# Allegro board TDI_KU5P_QSFP28_CXP_V001-20240805_1841.brd (continued)
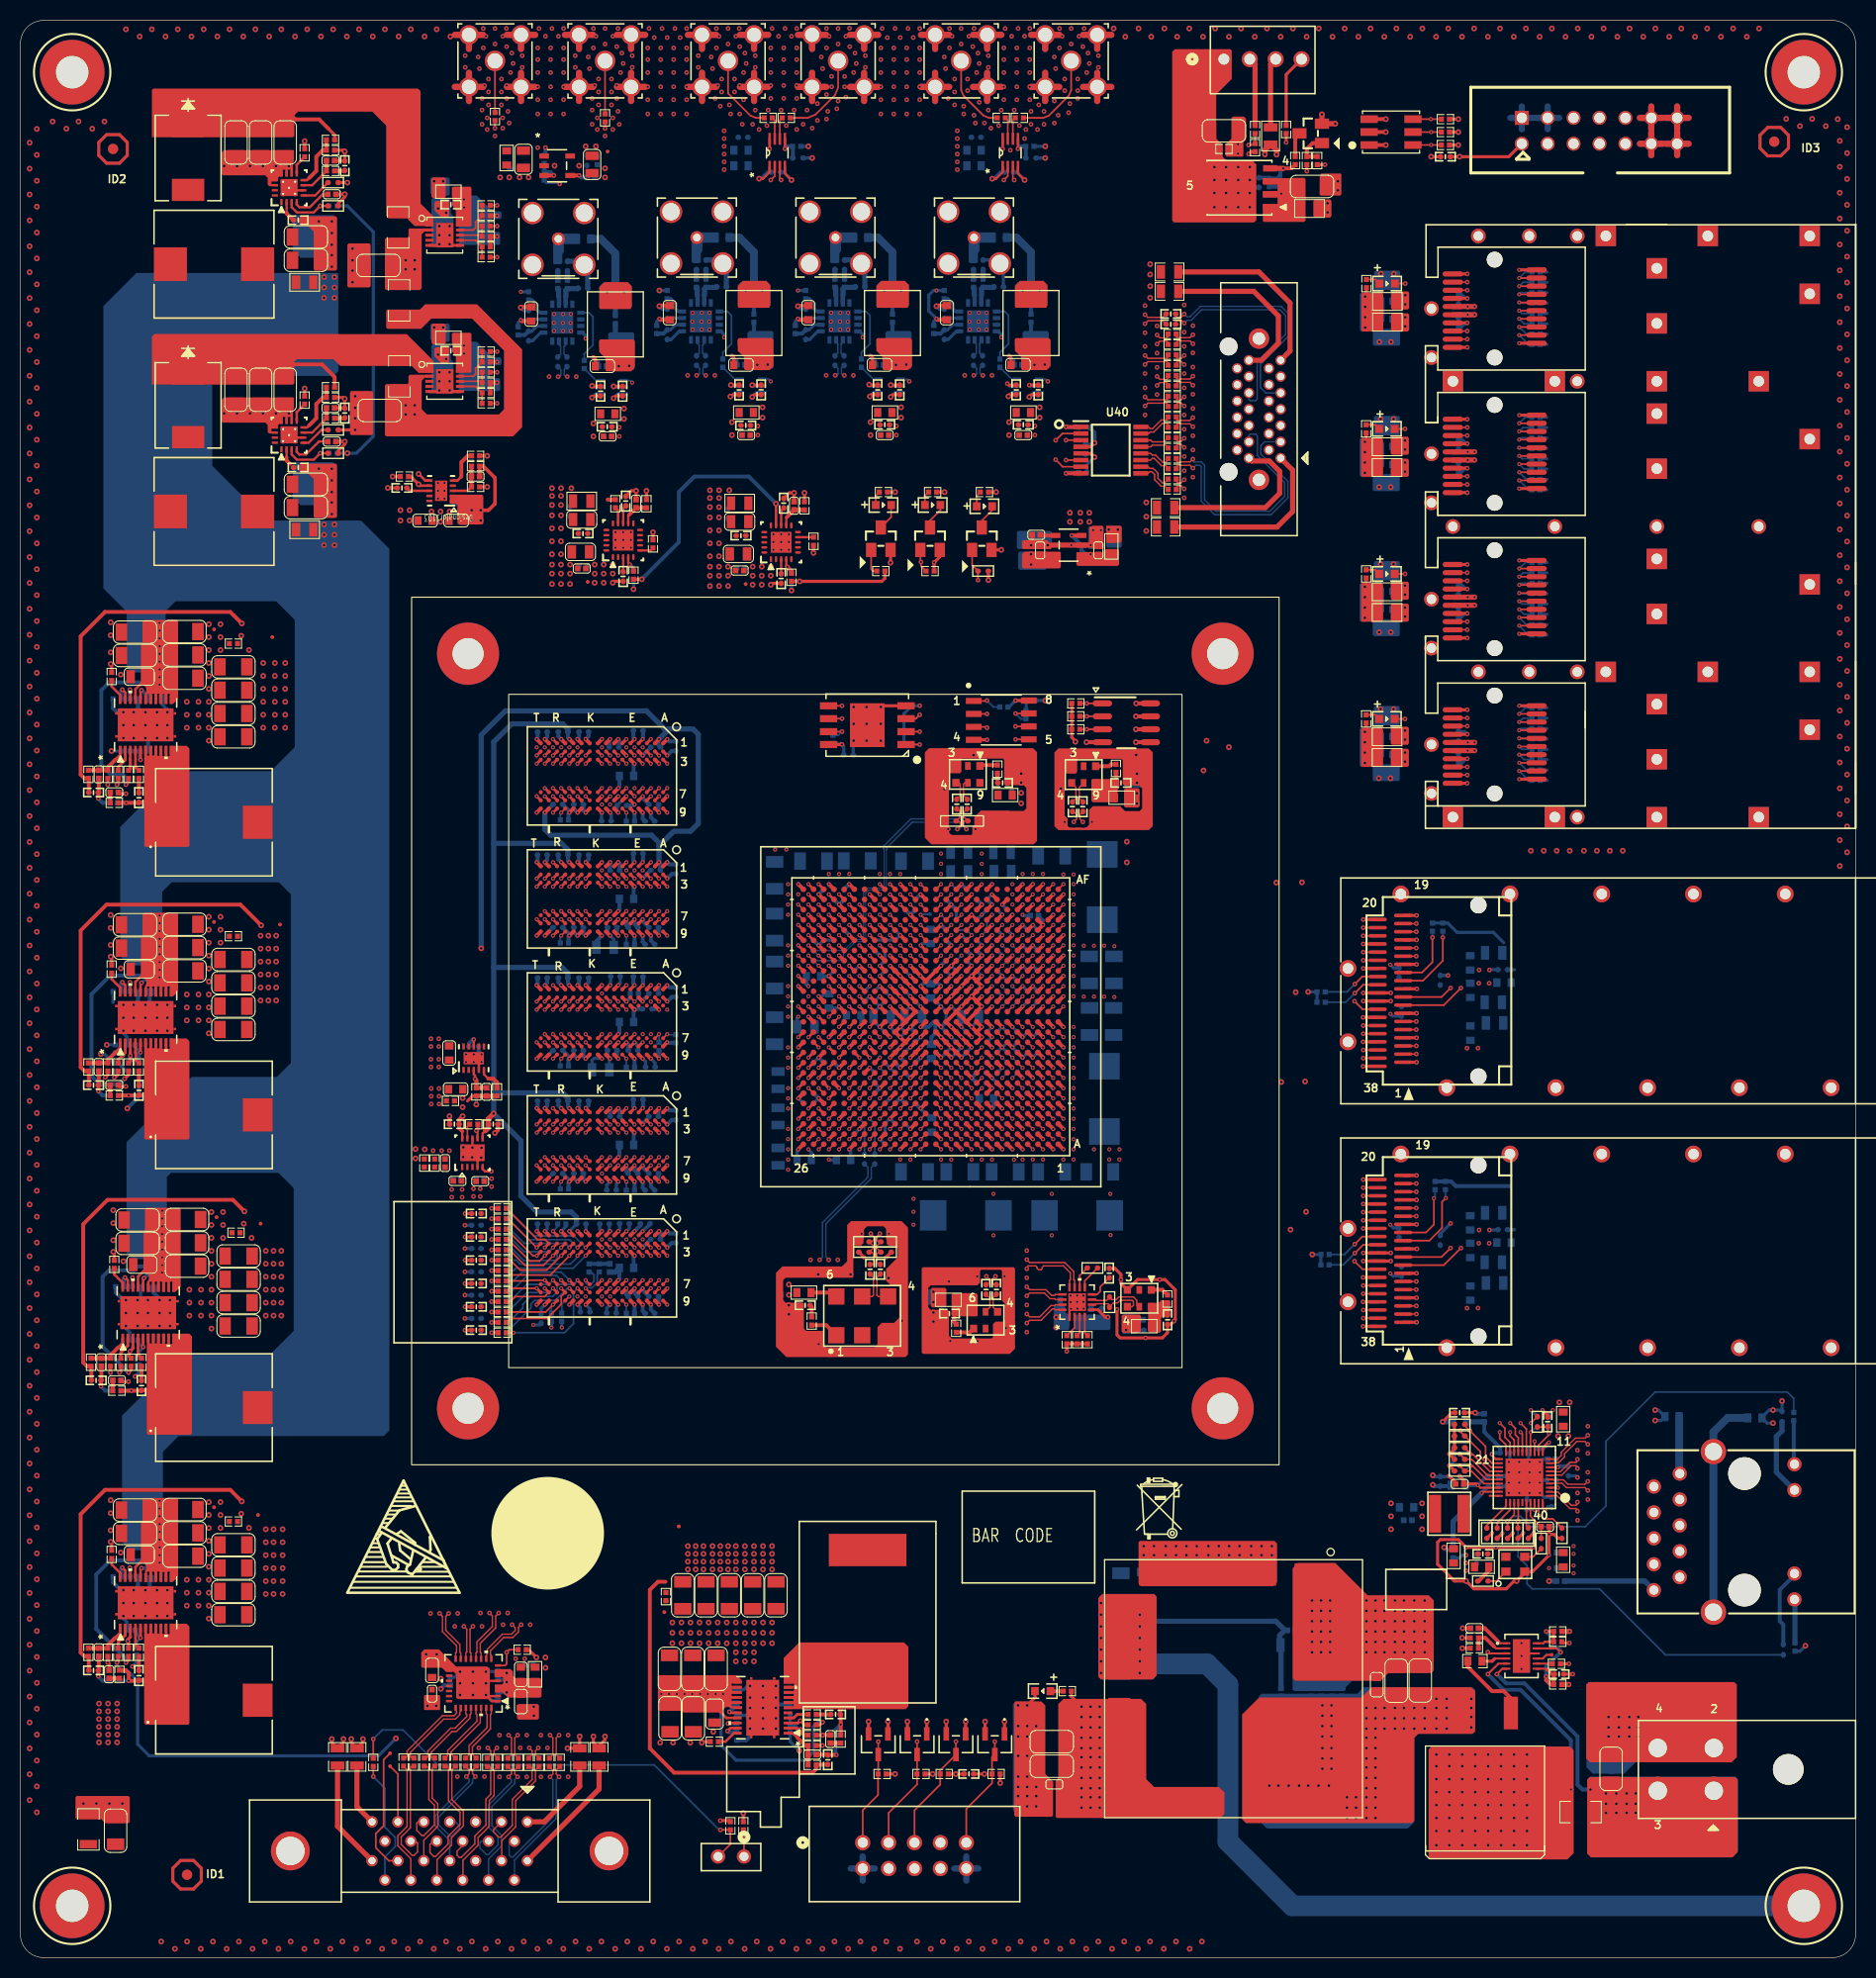
[diagram p0: board, top side]
## Routing (per net, layer and track width the routed paths; a pad name or vN(x,y) marks a point on that pad's centre or on a via; arc(x,y) is an arc through that point) (continued)
  BOTTOM w0.508: C320.1 v3(149.93,36.93) ; C287.1 69.24,165.81 J9.2 68.55,166.5 C284.1 ; C286.1 55.65,165.68 J8.2 54.96,166.37 C280.1 ; C311.1 82.83,165.81 J11.2 82.14,166.5 C308.1
  BOTTOM w0.61: 149.8,179.32 J3.4 ; J3.4 150.92,180.44 ; J3.4 149.8,181.56 ; J3.4 148.68,180.44 ; J3.14 162.5,181.56 ; J3.14 161.38,180.44 ; J3.14 162.5,179.32 ; J3.14 163.62,180.44 ; 59.9,182.09 J16.2 ; J16.2 59.9,184.86 ; J16.2 61.28,183.48 ; J16.2 58.51,183.48 ; J16.4 56.18,188.58 ; J16.4 53.41,188.58 ; J16.4 54.79,187.2 ; J20.3 84.14,188.58 ; J20.3 82.76,187.2 ; J20.3 81.37,188.58 ; 99.13,188.58 J17.4 ; J17.4 101.9,188.58 ; J17.4 100.51,187.2 ; 77.65,187.2 J20.4 ; J20.4 79.04,188.58 ; J20.4 76.27,188.58 ; 88.33,188.58 J15.4 ; J15.4 91.1,188.58 ; J15.4 89.72,187.2 ; 99.13,183.48 J17.5 ; J17.5 100.51,184.86 ; J17.5 100.51,182.09 ; J17.5 101.9,183.48 ; 88.33,183.48 J15.5 ; J15.5 91.1,183.48 ; J15.5 89.72,184.86 ; J15.5 89.72,182.09 ; 53.41,183.48 J16.5 ; J16.5 54.79,182.09 ; J16.5 56.18,183.48 ; J16.5 54.79,184.86 ; 65.47,188.58 J19.4 ; J19.4 66.86,187.2 ; J19.4 68.24,188.58 ; J17.2 105.62,184.86 ; J17.2 107,183.48 ; J17.2 104.23,183.48 ; J17.2 105.62,182.09 ; J18.2 49.1,184.86 ; J18.2 50.49,183.48 ; J18.2 49.1,182.09 ; J18.2 47.72,183.48 ; J17.3 107,188.58 ; J17.3 105.62,187.2 ; J17.3 104.23,188.58 ; 82.62,7.56 J1.2 ; J1.2 81.43,8.74 ; J1.2 82.62,9.92 ; J1.2 83.8,8.74 ; 159.96,179.32 J3.12 ; J3.12 158.84,180.44 ; J3.12 161.08,180.44 ; J3.12 159.96,181.56 ; J20.2 84.14,183.48 ; J20.2 82.76,184.86 ; J20.2 82.76,182.09 ; J20.2 81.37,183.48 ; 58.51,188.58 J16.3 ; J16.3 59.9,187.2 ; J16.3 61.28,188.58 ; J3.13 163.62,177.9 ; J3.13 161.38,177.9 ; J3.13 162.5,176.78 ; J3.13 162.5,179.02 ; J20.5 79.04,183.48 ; J20.5 77.65,184.86 ; J20.5 76.27,183.48 ; J20.5 77.65,182.09 ; 47.72,188.58 J18.3 ; J18.3 50.49,188.58 ; J18.3 49.1,187.2 ; 93.44,188.58 J15.3 ; J15.3 96.21,188.58 ; J15.3 94.82,187.2 ; J3.11 161.08,177.9 ; J3.11 158.84,177.9 ; J3.11 159.96,176.78 ; J3.11 159.96,179.02 ; J19.5 66.86,184.86 ; J19.5 68.24,183.48 ; J19.5 66.86,182.09 ; J19.5 65.47,183.48 ; 93.44,183.48 J15.2 ; J15.2 94.82,184.86 ; J15.2 94.82,182.09 ; J15.2 96.21,183.48 ; 44,187.2 J18.4 ; J18.4 42.61,188.58 ; J18.4 45.38,188.58 ; 70.58,188.58 J19.3 ; J19.3 73.35,188.58 ; J19.3 71.96,187.2 ; J1.10 93.96,8.74 ; J1.10 92.78,9.92 ; J1.10 92.78,7.56 ; J1.10 91.59,8.74 ; 147.26,179.32 J3.2 ; J3.2 146.14,180.44 ; J3.2 147.26,181.56 ; J3.2 148.38,180.44 ; 44,182.09 J18.5 ; J18.5 42.61,183.48 ; J18.5 44,184.86 ; J18.5 45.38,183.48 ; J19.2 73.35,183.48 ; J19.2 71.96,182.09 ; J19.2 71.96,184.86 ; J19.2 70.58,183.48
  vias: v1(40.96,144.63) v1(40.96,143.87) v1(40.96,143.1) v1(41.6,144.63) v1(41.6,143.87) v1(41.6,143.1) v1(43.7,88.6) v1(43.7,87.83) v1(44.47,88.6) v1(44.47,87.83) v1(50.64,118.7) v1(51.44,118.7) v1(52.24,118.7) v1(52.34,161.2) v1(52.32,160.33) v1(52.34,159.55) v1(53.04,118.7) v1(53.23,161.2) v1(53.21,160.33) v1(53.23,159.55) v1(53.84,118.7) v1(53.99,161.2) v1(53.97,160.33) v1(53.99,159.55) v1(54.64,118.7) v1(54.64,64.84) v1(55.44,64.84) v1(57.04,118.7) v1(57.04,113.1) v1(57.04,106.64) v1(57.04,94.57) v1(57.04,76.9) v1(57.04,70.44) v1(57.04,64.84) v1(57.84,113.1) v1(57.84,70.44) v1(57.84,64.84) v1(59.44,118.7) v1(59.44,106.64) v1(59.44,70.44) v1(60.24,118.7) v1(60.24,114.7) v1(60.24,106.64) v1(60.24,70.44) v1(61.04,118.7) v1(61.04,106.64) v1(61.04,90.57) v1(61.04,70.44) v1(61.84,93.77) v1(61.84,90.57) v1(61.84,89.77) v1(63.44,92.97) v1(65.93,161.32) v1(65.91,160.46) v1(65.93,159.67) v1(66.82,161.32) v1(66.8,160.46) v1(66.82,159.67) v1(67.58,161.32) v1(67.56,160.46) v1(67.58,159.67) v1(74.02,108.68) v1(75.12,108.69) v1(75.29,99.28) v1(75.29,98.28) v1(75.29,97.28) v1(75.29,89.28) v1(75.29,88.27) v1(75.29,87.27) v1(75.29,81.27) v1(75.29,80.27) v1(75.29,79.27) v1(77.29,94.28) v1(79.29,106.28) v1(79.52,161.32) v1(79.5,160.46) v1(79.52,159.67) v1(80.29,106.28) v1(80.38,160.46) v1(80.41,161.32) v1(80.41,159.67) v1(81.17,161.32) v1(81.15,160.46) v1(81.17,159.67) v1(81.29,106.28) v1(86.29,78.28) v1(87.29,78.28) v1(87.59,74.42) v1(87.59,73.15) v1(87.59,71.88) v1(90.3,108.28) v1(90.3,107.28) v1(90.3,106.28) v1(93.08,160.46) v1(93.11,161.32) v1(93.11,159.67) v1(93.3,78.28) v1(93.97,160.46) v1(94,161.32) v1(94,159.67) v1(94.3,78.28) v1(94.76,161.32) v1(94.74,160.46) v1(94.76,159.67) v1(95.3,78.28) v1(99.3,106.28) v1(100.3,106.28) v1(102.3,78.28) v1(103.01,64.92) v1(103.01,64.29) v1(103.3,105.28) v1(103.3,104.28) v1(103.3,103.28) v1(103.3,102.28) v1(103.3,101.28) v1(103.3,100.28) v1(103.3,99.28) v1(103.3,98.28) v1(103.3,97.28) v1(103.3,96.28) v1(103.3,95.28) v1(103.3,94.28) v1(103.3,91.27) v1(103.3,90.27) v1(103.3,89.28) v1(103.3,88.28) v1(103.3,87.27) v1(103.3,86.28) v1(103.3,85.28) v1(103.3,84.27) v1(103.3,83.28) v1(103.3,82.28) v1(103.3,81.27) v1(103.3,80.27) v1(103.3,79.28) v1(103.3,78.28) v1(103.65,64.94) v1(103.65,64.31) v1(103.67,63.65) v1(104.27,64.92) v1(104.27,64.31) v1(104.29,63.65) v1(106.9,74.9) v1(106.92,70.87) v1(149.93,38.2) v2(40.27,88.11) v2(40.27,87.35) v2(40.22,33.76) v2(40.3,85.24) v2(40.3,84.48) v2(40.3,83.72) v2(40.48,79.15) v2(41.04,88.11) v2(41.04,87.35) v2(41.06,85.24) v2(41.06,84.48) v2(41.06,83.72) v2(41.32,79.15) v2(42.08,79.15) v2(42.31,75.34) v2(42.31,74.57) v2(42.61,32.49) v2(42.89,33.76) v2(42.85,17.75) v2(43.63,186.54) v2(43.63,185.39) v2(44.9,186.41) v2(44.96,20.57) v2(45.02,185.27) v2(45.12,33.8) v2(45.28,182.35) v2(45.28,181.2) v2(45.28,179.81) v2(45.27,32.49) v2(45.41,189.2) v2(45.41,187.3) v2(45.53,183.62) v2(45.52,17.75) v2(45.66,188.44) v2(45.79,180.44) v2(45.79,179.3) v2(45.91,184.25) v2(45.91,182.98) v2(45.91,181.71) v2(46.22,76.4) v2(46.22,75.62) v2(46.55,189.2) v2(46.55,187.68) v2(46.55,178.66) v2(46.99,21.82) v2(46.99,17.73) v2(47.18,184.25) v2(47.18,182.98) v2(47.18,181.71) v2(47.31,188.44) v2(47.31,180.44) v2(47.31,179.43) v2(47.34,32.65) v2(47.67,189.2) v2(47.69,187.43) v2(47.69,183.62) v2(47.69,182.35) v2(47.63,20.57) v2(47.79,33.8) v2(47.82,181.08) v2(47.95,179.93) v2(48.07,184.89) v2(48.2,186.79) v2(48.33,185.78) v2(48.58,29.31) v2(49.02,20.57) v2(49.22,186.54) v2(49.22,185.39) v2(49.47,29.31) v2(49.66,21.82) v2(49.66,17.73) v2(50.01,32.65) v2(50.74,187.3) v2(50.74,186.16) v2(50.74,184.89) v2(50.74,183.49) v2(50.74,182.22) v2(50.74,180.82) v2(50.87,189.2) v2(51.06,21.82) v2(51.06,17.73) v2(51.5,188.44) v2(51.69,20.57) v2(51.85,155.06) v2(52.01,187.3) v2(52.01,186.16) v2(52.01,184.89) v2(52.01,183.49) v2(52.01,182.22) v2(52.01,180.82) v2(52.14,189.2) v2(52.77,188.44) v2(53.28,189.2) v2(53.28,187.3) v2(53.28,186.16) v2(53.28,184.89) v2(53.28,183.49) v2(53.28,182.22) v2(53.28,180.82) v2(53.72,21.82) v2(53.72,17.73) v2(54.42,186.54) v2(54.42,185.39) v2(54.52,155.06) v2(55.69,186.41) v2(55.82,185.27) v2(56.07,182.35) v2(56.07,181.2) v2(56.07,179.81) v2(56.2,189.2) v2(56.2,187.3) v2(56.33,183.62) v2(56.45,188.44) v2(56.58,180.44) v2(56.58,179.3) v2(56.71,184.25) v2(56.71,182.98) v2(56.71,181.71) v2(57.34,189.2) v2(57.34,187.68) v2(57.34,178.66) v2(57.98,184.25) v2(57.98,182.98) v2(57.98,181.71) v2(58.11,188.44) v2(58.11,180.44) v2(58.11,179.3) v2(58.36,139.8) v2(58.36,139.04) v2(58.36,138.28) v2(58.49,187.43) v2(58.49,183.62) v2(58.49,182.35) v2(58.61,189.2) v2(58.61,181.08) v2(58.74,179.81) v2(58.74,150.09) v2(58.74,149.2) v2(58.87,184.89) v2(58.99,186.79) v2(59.12,185.78) v2(59.12,139.8) v2(59.12,139.04) v2(59.12,138.28) v2(59.88,139.8) v2(59.88,139.04) v2(59.88,138.28) v2(60.01,186.54) v2(60.01,185.39) v2(61.53,187.3) v2(61.53,186.16) v2(61.53,184.89) v2(61.53,183.49) v2(61.53,182.22) v2(61.53,180.82) v2(61.66,189.2) v2(62.17,188.32) v2(62.8,187.3) v2(62.8,186.16) v2(62.8,184.89) v2(62.8,183.49) v2(62.8,182.22) v2(62.8,180.82) v2(62.93,189.2) v2(63.44,188.32) v2(64.07,187.3) v2(64.07,186.16) v2(64.07,184.89) v2(64.07,183.49) v2(64.07,182.22) v2(64.07,180.82) v2(64.2,189.2) v2(64.71,188.32) v2(65.34,189.2) v2(65.34,187.3) v2(65.34,186.16) v2(65.34,184.89) v2(65.34,183.49) v2(65.34,182.22) v2(65.34,180.82) v2(65.44,155.19) v2(66.49,186.54) v2(66.49,185.39) v2(67.76,186.41) v2(67.88,185.27) v2(68.14,182.35) v2(68.11,155.19) v2(68.27,189.2) v2(68.27,187.3) v2(68.39,183.62) v2(68.52,188.44) v2(68.65,181.58) v2(68.77,184.25) v2(68.77,182.98) v2(69.03,179.17) v2(69.03,178.41) v2(69.41,189.2) v2(69.41,187.68) v2(69.54,181.71) v2(69.66,180.82) v2(70.04,184.25) v2(70.04,182.98) v2(70.17,188.44) v2(70.5,189.2) v2(70.55,187.43) v2(70.55,183.62) v2(70.55,180.82) v2(70.81,179.81) v2(70.93,184.89) v2(70.93,182.22) v2(71.06,186.79) v2(71.19,185.78) v2(71.82,179.81) v2(72.08,186.54) v2(72.08,185.39) v2(72.08,181.2) v2(72.33,150.22) v2(72.33,149.33) v2(72.46,179.3) v2(73.22,179.68) v2(73.35,181.2) v2(73.6,187.3) v2(73.6,186.16) v2(73.6,184.89) v2(73.6,183.62) v2(73.6,182.35) v2(73.73,189.2) v2(73.85,139.6) v2(73.85,138.84) v2(73.85,138.07) v2(74.36,188.44) v2(74.62,181.2) v2(74.62,139.6) v2(74.62,138.84) v2(74.62,138.07) v2(74.87,187.3) v2(74.87,186.16) v2(74.87,184.89) v2(74.87,183.62) v2(74.87,182.35) v2(75,189.2) v2(75.12,179.68) v2(75.38,139.6) v2(75.38,138.84) v2(75.38,138.07) v2(75.63,188.44) v2(75.89,181.2) v2(76.14,189.2) v2(76.14,187.3) v2(76.14,186.16) v2(76.14,184.89) v2(76.14,183.62) v2(76.14,182.35) v2(76.14,179.3) v2(76.77,179.81) v2(77.16,181.2) v2(77.5,68.44) v2(77.66,179.43) v2(78.17,181.84) v2(78.17,180.19) v2(78.3,60.17) v2(78.55,186.41) v2(78.68,185.27) v2(79.06,189.2) v2(79.06,187.3) v2(79.06,182.73) v2(79.06,180.31) v2(79.03,155.19) v2(79.19,181.08) v2(79.31,188.44) v2(79.57,184.51) v2(79.57,183.49) v2(80.08,181.33) v2(80.17,68.44) v2(80.2,189.2) v2(80.2,187.68) v2(80.2,182.09) v2(80.84,184.51) v2(80.84,183.49) v2(80.97,188.44) v2(80.97,182.47) v2(81.32,189.23) v2(81.35,187.43) v2(81.73,184.89) v2(81.7,155.19) v2(81.85,186.79) v2(81.98,185.78) v2(82.87,186.54) v2(82.87,185.39) v2(84.39,187.3) v2(84.39,186.16) v2(84.39,184.89) v2(84.39,183.49) v2(84.39,182.22) v2(84.39,180.82) v2(84.52,189.2) v2(85.03,188.32) v2(85.66,187.3) v2(85.66,186.16) v2(85.66,184.89) v2(85.66,183.49) v2(85.66,182.22) v2(85.66,180.82) v2(85.79,189.2) v2(85.92,150.22) v2(85.92,149.33) v2(86.3,188.32) v2(86.93,187.3) v2(86.93,186.16) v2(86.93,184.89) v2(86.93,183.49) v2(86.93,182.22) v2(86.93,180.82) v2(87.06,189.2) v2(87.57,188.32) v2(88.2,189.2) v2(88.2,187.3) v2(88.2,186.16) v2(88.2,184.89) v2(88.2,183.49) v2(88.2,182.22) v2(88.2,180.82) v2(90.62,186.41) v2(90.74,185.27) v2(91,182.35) v2(91.07,66.32) v2(91.13,189.2) v2(91.13,187.3) v2(91.2,60.48) v2(91.38,188.44) v2(91.63,184.25) v2(91.63,182.98) v2(91.63,181.71) v2(91.89,179.17) v2(91.89,178.41) v2(92.27,189.2) v2(92.27,187.68) v2(92.52,181.58) v2(92.52,180.82) v2(92.62,155.19) v2(92.9,184.25) v2(92.9,183.11) v2(93.03,188.44) v2(93.41,187.43) v2(93.54,189.2) v2(93.54,180.7) v2(93.67,179.93) v2(93.79,184.89) v2(93.86,66.82) v2(93.87,60.48) v2(93.92,186.79) v2(94.05,185.78) v2(94.05,181.97) v2(94.55,179.93) v2(94.94,186.54) v2(94.94,185.39) v2(94.94,181.2) v2(95.19,179.43) v2(95.29,155.19) v2(95.95,179.68) v2(96.21,181.2) v2(96.46,187.3) v2(96.46,186.16) v2(96.46,184.89) v2(96.46,183.49) v2(96.46,182.22) v2(96.59,189.2) v2(96.52,66.82) v2(96.66,61.75) v2(97.09,177.27) v2(97.22,188.44) v2(97.48,181.2) v2(97.73,187.3) v2(97.73,186.16) v2(97.73,184.89) v2(97.73,183.49) v2(97.73,182.22) v2(97.86,189.2) v2(97.98,179.68) v2(98.49,188.44) v2(98.49,178.41) v2(98.62,179.3) v2(98.71,69.34) v2(98.71,66.68) v2(98.71,64.01) v2(98.71,61.34) v2(99,189.2) v2(99,187.3) v2(99,186.16) v2(99,184.89) v2(99,183.49) v2(99,182.22) v2(99.13,181.08) v2(99.13,179.81) v2(99.51,150.22) v2(99.51,149.33) v2(99.76,179.3) v2(99.89,181.71) v2(100.4,181.08) v2(100.4,179.81) v2(101.41,186.41) v2(101.41,182.09) v2(101.41,179.93) v2(101.54,185.27) v2(101.79,180.7) v2(101.92,189.2) v2(101.92,187.3) v2(102.17,188.44) v2(102.43,184.25) v2(102.43,183.11) v2(102.43,111.39) v2(102.81,180.95) v2(102.94,181.84) v2(103.06,189.2) v2(103.06,187.68) v2(103.06,138.53) v2(103.7,184.25) v2(103.7,183.11) v2(103.7,182.35) v2(103.83,188.44) v2(104.21,187.43) v2(104.33,189.2) v2(104.59,184.89) v2(104.71,186.79) v2(104.84,185.78) v2(104.97,138.53) v2(105.1,111.39) v2(105.22,140) v2(105.73,186.54) v2(105.73,185.39) v2(105.98,140) v2(110.3,162.03) v2(110.3,159.36) v2(110.3,158.03) v2(110.3,155.36) v2(110.3,153.96) v2(110.3,151.3) v2(111.48,160.03) v2(111.48,157.37) v2(111.48,155.97) v2(111.48,153.3) v2(114.15,162.09) v2(114.15,159.42) v2(114.15,158.03) v2(114.15,155.36) v2(114.15,153.96) v2(114.15,151.3) v2(114.15,149.9) v2(114.15,147.23) v2(114.15,145.83) v2(114.15,143.17) v2(115,160.06) v2(115,157.39) v2(115,155.99) v2(115,153.33) v2(115,151.93) v2(115,149.26) v2(115,147.87) v2(115,145.2) v2(119.42,177.85) v2(119.42,176.94) v2(141.89,89.2) v2(141.89,63.7) v2(142.97,89.2) v2(142.97,63.7) v2(143.07,96.86) v2(143.04,95.56) v2(143.07,71.36) v2(143.04,70.06) v2(144.06,95.56) v2(144.06,70.06) v2(145.99,45.57) v2(147.01,48.62) v2(147.01,47.6) v2(147.01,46.58) v2(147.01,45.57) v2(148.02,47.6) v2(148.02,46.58) v2(149.04,47.6) v2(152.72,49.76) v2(152.72,45.57) v2(152.72,42.9) v2(153.74,52.12) v2(153.74,49.45) v2(153.74,47.6) v2(153.74,44.93) v3(0.9,178) v3(0.9,175.46) v3(0.9,172.92) v3(0.9,170.38) v3(0.9,167.84) v3(0.9,165.3) v3(0.9,162.76) v3(0.9,160.22) v3(0.9,157.68) v3(0.9,155.14) v3(0.9,152.6) v3(0.9,150.06) v3(0.9,147.52) v3(0.9,144.98) v3(0.9,142.44) v3(0.9,139.9) v3(0.9,137.36) v3(0.9,134.82) v3(0.9,132.28) v3(0.9,129.74) v3(0.9,127.2) v3(0.9,124.66) v3(0.9,122.12) v3(0.9,119.58) v3(0.9,117.04) v3(0.9,114.5) v3(0.9,111.96) v3(0.9,109.42) v3(0.9,106.88) v3(0.9,104.34) v3(0.9,101.8) v3(0.9,99.26) v3(0.9,96.72) v3(0.9,94.18) v3(0.9,91.64) v3(0.9,89.1) v3(0.9,86.56) v3(0.9,84.02) v3(0.9,81.48) v3(0.9,78.94) v3(0.9,76.4) v3(0.9,73.86) v3(0.9,71.32) v3(0.9,68.78) v3(0.9,66.24) v3(0.9,63.7) v3(0.9,61.16) v3(0.9,58.62) v3(0.9,56.08) v3(0.9,53.54) v3(0.9,51) v3(0.9,48.46) v3(0.9,45.92) v3(0.9,43.38) v3(0.9,40.84) v3(0.9,38.3) v3(0.9,35.76) v3(0.9,33.22) v3(0.9,30.68) v3(0.9,28.14) v3(0.9,25.6) v3(0.9,23.06) v3(0.9,20.52) v3(0.9,17.98) v3(0.9,15.44) v3(1.62,179.35) v3(1.62,176.81) v3(1.62,174.27) v3(1.62,171.73) v3(1.62,169.19) v3(1.62,166.65) v3(1.62,164.11) v3(1.62,161.57) v3(1.62,159.03) v3(1.62,156.49) v3(1.62,153.95) v3(1.62,151.41) v3(1.62,148.87) v3(1.62,146.33) v3(1.62,143.79) v3(1.62,141.25) v3(1.62,138.71) v3(1.62,136.17) v3(1.62,133.63) v3(1.62,131.09) v3(1.62,128.55) v3(1.62,126.01) v3(1.62,123.47) v3(1.62,120.93) v3(1.62,118.39) v3(1.62,115.85) v3(1.62,113.31) v3(1.62,110.77) v3(1.62,108.23) v3(1.62,105.69) v3(1.62,103.15) v3(1.62,100.61) v3(1.62,98.07) v3(1.62,95.53) v3(1.62,92.99) v3(1.62,90.45) v3(1.62,87.91) v3(1.62,85.37) v3(1.62,82.83) v3(1.62,80.29) v3(1.62,77.75) v3(1.62,75.21) v3(1.62,72.67) v3(1.62,70.13) v3(1.62,67.59) v3(1.62,65.05) v3(1.62,62.51) v3(1.62,59.97) v3(1.62,57.43) v3(1.62,54.89) v3(1.62,52.35) v3(1.62,49.81) v3(1.62,47.27) v3(1.62,44.73) v3(1.62,42.19) v3(1.62,39.65) v3(1.62,37.11) v3(1.62,34.57) v3(1.62,32.03) v3(1.62,29.49) v3(1.62,26.95) v3(1.62,24.41) v3(1.62,21.87) v3(1.62,19.33) v3(1.62,16.79) v3(1.62,14.25) v3(3.16,180.09) v3(4.51,179.37) v3(5.7,180.09) v3(6.19,15.11) v3(7.05,179.37) v3(7.46,15.11) v3(8.24,180.09) v3(8.73,15.11) v3(8.85,130.97) v3(8.85,129.7) v3(8.85,128.02) v3(8.85,102.26) v3(8.85,100.99) v3(8.85,99.32) v3(8.85,44.86) v3(8.85,43.59) v3(8.85,41.91) v3(9.11,73.31) v3(9.11,72.04) v3(9.11,70.36) v3(9.85,125.83) v3(9.85,97.03) v3(9.85,39.73) v3(10,15.11) v3(10.1,120.88) v3(10.1,119.61) v3(10.1,93.45) v3(10.1,92.18) v3(10.1,68.3) v3(10.1,34.77) v3(10.35,189.13) v3(10.35,63.22) v3(11.12,120.88) v3(11.12,119.61) v3(11.12,92.18) v3(11.12,90.91) v3(11.12,34.77) v3(11.12,33.5) v3(11.5,63.22) v3(11.5,61.95) v3(11.7,188.42) v3(12.26,122.15) v3(12.26,120.88) v3(12.26,92.18) v3(12.26,90.91) v3(12.26,34.77) v3(12.26,33.5) v3(12.51,64.49) v3(12.51,63.22) v3(12.51,61.95) v3(12.89,189.13) v3(13.4,122.15) v3(13.4,120.88) v3(13.4,119.61) v3(13.4,93.45) v3(13.4,92.18) v3(13.4,90.91) v3(13.4,36.04) v3(13.4,34.77) v3(13.4,33.5) v3(13.66,63.22) v3(13.66,61.95) v3(13.81,1.57) v3(14.24,188.42) v3(14.42,120.88) v3(14.42,119.61) v3(14.42,93.45) v3(14.42,92.18) v3(14.42,90.91) v3(14.42,36.04) v3(14.42,34.77) v3(14.42,33.5) v3(14.67,64.49) v3(14.67,63.22) v3(14.67,61.95) v3(15.15,0.86) v3(15.43,189.13) v3(16.32,123.16) v3(16.32,121.89) v3(16.32,120.62) v3(16.32,94.46) v3(16.32,93.19) v3(16.32,91.92) v3(16.32,37.06) v3(16.32,35.79) v3(16.32,34.52) v3(16.35,1.57) v3(16.58,65.51) v3(16.58,64.24) v3(16.58,62.97) v3(16.78,188.42) v3(17.47,123.16) v3(17.47,121.89) v3(17.47,120.62) v3(17.47,94.46) v3(17.47,93.19) v3(17.47,91.92) v3(17.47,37.06) v3(17.47,35.79) v3(17.47,34.52) v3(17.69,0.86) v3(17.72,65.51) v3(17.72,64.24) v3(17.72,62.97) v3(17.97,189.13) v3(18.48,130.78) v3(18.48,129.51) v3(18.48,128.24) v3(18.48,126.97) v3(18.48,125.7) v3(18.48,124.43) v3(18.48,123.16) v3(18.48,121.89) v3(18.48,120.62) v3(18.48,119.35) v3(18.48,102.08) v3(18.48,100.81) v3(18.48,99.54) v3(18.48,98.27) v3(18.48,97) v3(18.48,95.73) v3(18.48,94.46) v3(18.48,93.19) v3(18.48,91.92) v3(18.48,90.65) v3(18.48,44.68) v3(18.48,43.41) v3(18.48,42.14) v3(18.48,40.87) v3(18.48,39.6) v3(18.48,38.33) v3(18.48,37.06) v3(18.48,35.79) v3(18.48,34.52) v3(18.48,33.25) v3(18.74,73.13) v3(18.74,71.86) v3(18.74,70.59) v3(18.74,69.32) v3(18.74,68.05) v3(18.74,66.78) v3(18.74,65.51) v3(18.74,64.24) v3(18.74,62.97) v3(18.74,61.7) v3(18.89,1.57) v3(19.32,188.42) v3(19.62,130.78) v3(19.62,129.51) v3(19.62,128.24) v3(19.62,102.08) v3(19.62,100.81) v3(19.62,99.54) v3(19.62,44.68) v3(19.62,43.41) v3(19.62,42.14) v3(19.88,73.13) v3(19.88,71.86) v3(19.88,70.59) v3(19.98,175.72) v3(19.98,151.46) v3(20.23,0.86) v3(20.51,189.13) v3(21.25,175.72) v3(21.25,151.46) v3(21.43,1.57) v3(21.86,188.42) v3(22.52,175.72) v3(22.52,151.46) v3(22.77,0.86) v3(23.05,189.13) v3(23.79,175.72) v3(23.79,151.46) v3(23.97,1.57) v3(24.4,188.42) v3(25.06,175.72) v3(25.06,151.46) v3(25.31,0.86) v3(25.59,189.13) v3(26.33,175.72) v3(26.33,151.46) v3(26.51,1.57) v3(26.94,188.42) v3(27.85,0.86) v3(28.13,189.13) v3(29.05,1.57) v3(29.28,170.28) v3(29.28,146.02) v3(29.48,188.42) v3(30.39,0.86) v3(30.55,170.28) v3(30.55,169.14) v3(30.55,168) v3(30.55,166.98) v3(30.55,165.84) v3(30.55,146.02) v3(30.55,144.88) v3(30.55,143.74) v3(30.55,142.72) v3(30.55,141.58) v3(30.67,189.13) v3(31.59,1.57) v3(32.02,188.42) v3(32.58,167.61) v3(32.58,166.47) v3(32.58,165.46) v3(32.58,164.31) v3(32.83,153.14) v3(32.83,151.99) v3(32.83,150.98) v3(32.93,0.86) v3(33.21,189.13) v3(34.13,1.57) v3(34.56,188.42) v3(35.47,0.86) v3(35.75,189.13) v3(36.67,1.57) v3(37.1,188.42) v3(38.01,0.86) v3(38.29,189.13) v3(39.21,1.57) v3(39.64,188.42) v3(39.79,29.74) v3(39.92,24.69) v3(40.33,141.83) v3(40.55,0.86) v3(40.78,24.69) v3(40.83,189.13) v3(40.83,29.74) v3(40.96,171.55) v3(40.96,157.22) v3(41.09,169.82) v3(41.09,168.94) v3(41.09,155.49) v3(41.09,154.6) v3(41.21,141.83) v3(41.21,140.82) v3(41.76,171.13) v3(41.76,156.8) v3(41.75,1.57) v3(42.18,188.42) v3(42.1,169.82) v3(42.1,168.94) v3(42.1,155.49) v3(42.1,154.6) v3(42.1,141.83) v3(43.09,0.86) v3(43.12,26.9) v3(43.12,25.76) v3(43.45,79.48) v3(43.42,78.51) v3(44.29,1.57) v3(44.31,78.49) v3(44.39,28.04) v3(44.39,26.9) v3(44.39,25.76) v3(45.23,79.43) v3(45.63,0.86) v3(46.83,1.57) v3(48.17,0.86) v3(48.96,174.6) v3(49.37,1.57) v3(49.85,174.6) v3(50.36,24.61) v3(50.36,23.72) v3(50.71,0.86) v3(51.91,1.57) v3(52.14,141.45) v3(52.14,140.18) v3(52.14,138.91) v3(52.14,137.64) v3(52.14,136.63) v3(52.14,135.74) v3(52.14,134.72) v3(52.39,175.74) v3(53.03,141.45) v3(53.03,140.18) v3(53.03,138.91) v3(53.03,137.64) v3(53.03,136.63) v3(53.03,135.74) v3(53.03,134.72) v3(53.25,0.86) v3(53.91,136.63) v3(53.91,135.74) v3(53.91,134.72) v3(54.45,1.57) v3(54.8,175.74) v3(55.79,0.86) v3(56.99,1.57) v3(57.34,175.49) v3(57.34,174.6) v3(58.33,0.86) v3(59.53,1.57) v3(60.87,0.86) v3(62.07,1.57) v3(62.75,21.08) v3(63.41,0.86) v3(63.95,32.87) v3(63.95,31.85) v3(63.95,30.84) v3(64.02,21.08) v3(64.61,1.57) v3(64.84,32.87) v3(64.84,31.85) v3(64.84,30.84) v3(65.73,32.87) v3(65.73,31.85) v3(65.73,30.84) v3(65.7,21.08) v3(65.95,0.86) v3(66.61,32.87) v3(66.61,31.85) v3(66.61,30.84) v3(67.15,1.57) v3(67.5,32.87) v3(67.5,31.85) v3(67.5,30.84) v3(67.63,141.25) v3(67.63,139.98) v3(67.63,138.71) v3(67.63,137.44) v3(67.63,136.42) v3(67.63,135.53) v3(67.63,134.52) v3(67.96,22.15) v3(68.39,32.87) v3(68.39,31.85) v3(68.39,30.84) v3(68.49,0.86) v3(68.52,141.25) v3(68.52,139.98) v3(68.52,138.71) v3(68.52,137.44) v3(68.52,136.42) v3(68.52,135.53) v3(68.52,134.52) v3(69.28,32.87) v3(69.28,31.85) v3(69.28,30.84) v3(69.41,136.42) v3(69.41,135.53) v3(69.41,134.52) v3(69.69,1.57) v3(70.17,32.87) v3(70.17,31.85) v3(70.17,30.84) v3(70.17,29.95) v3(70.17,29.06) v3(71.06,32.87) v3(71.06,31.85) v3(71.06,30.84) v3(71.06,29.95) v3(71.06,29.06) v3(71.03,0.86) v3(71.57,25.5) v3(71.57,24.49) v3(71.95,32.87) v3(71.95,31.85) v3(71.95,30.84) v3(71.95,29.95) v3(71.95,29.06) v3(72.23,1.57) v3(72.84,32.87) v3(72.84,31.85) v3(72.84,30.84) v3(72.84,26.64) v3(72.84,25.5) v3(72.84,24.49) v3(72.84,23.47) v3(72.84,22.45) v3(73.57,0.86) v3(73.73,32.87) v3(73.73,31.85) v3(73.73,30.84) v3(74.11,26.64) v3(74.11,25.5) v3(74.11,23.47) v3(74.11,22.45) v3(74.77,1.57) v3(75.38,63.98) v3(75.38,63.09) v3(76.11,0.86) v3(77.31,1.57) v3(78.25,67.01) v3(78.65,0.86) v3(79.85,1.57) v3(81.19,0.86) v3(81.42,67.01) v3(81.73,122.66) v3(81.73,121.01) v3(82.39,1.57) v3(83,122.66) v3(83,121.01) v3(83,119.35) v3(83.73,0.86) v3(84.39,121.01) v3(84.39,119.35) v3(84.93,1.57) v3(85.16,66.65) v3(86.27,0.86) v3(86.43,62.46) v3(87.94,1.57) v3(89.29,0.86) v3(89.55,63.27) v3(89.55,62.38) v3(90.48,1.57) v3(90.64,114.6) v3(91.83,0.86) v3(93.02,1.57) v3(93.49,117.93) v3(94.37,0.86) v3(95.56,1.57) v3(96.91,0.86) v3(97.86,24.74) v3(97.86,22.71) v3(97.86,21.69) v3(97.86,19.79) v3(97.86,17.75) v3(97.86,16.74) v3(97.86,15.85) v3(97.86,14.83) v3(98.16,116.13) v3(98.16,115.24) v3(98.1,1.57) v3(98.75,22.71) v3(98.75,21.69) v3(98.75,19.79) v3(98.75,17.75) v3(98.75,16.74) v3(98.75,15.85) v3(98.75,14.83) v3(99.45,0.86) v3(99.63,22.71) v3(99.63,16.74) v3(99.63,15.85) v3(99.63,14.83) v3(100.64,1.57) v3(100.78,138.53) v3(101.99,0.86) v3(102.05,114.66) v3(103.19,117.96) v3(103.18,1.57) v3(104.53,0.86) v3(105.72,1.57) v3(107.07,0.86) v3(107.23,189.2) v3(108.26,1.57) v3(108.37,188.39) v3(108.52,109.45) v3(108.52,107.42) v3(109.44,117.96) v3(109.51,116.1) v3(109.51,115.21) v3(109.67,189.2) v3(109.61,0.86) v3(110.18,40.36) v3(110.18,39.47) v3(110.43,142.72) v3(110.43,141.33) v3(110.43,139.93) v3(110.81,166.09) v3(110.81,165.07) v3(110.81,163.93) v3(110.81,162.79) v3(110.8,1.57) v3(110.91,188.39) v3(111.19,40.36) v3(111.19,39.47) v3(112.15,0.86) v3(112.21,189.2) v3(112.33,40.36) v3(112.33,39.47) v3(113.35,40.36) v3(113.35,39.47) v3(113.34,1.57) v3(113.45,188.39) v3(114.37,40.36) v3(114.37,39.47) v3(114.65,189.2) v3(114.69,0.86) v3(115.38,40.36) v3(115.38,39.47) v3(115.88,1.57) v3(115.99,188.39) v3(116.04,116.43) v3(116.35,119.35) v3(116.53,40.36) v3(116.53,39.47) v3(117.19,189.2) v3(117.54,40.36) v3(117.54,39.47) v3(118.53,188.39) v3(118.53,118.72) v3(118.56,40.36) v3(118.56,39.47) v3(119.57,40.36) v3(119.57,39.47) v3(119.73,189.2) v3(120.72,40.36) v3(120.72,39.47) v3(121.07,188.39) v3(121.73,40.36) v3(121.73,39.47) v3(122.27,189.2) v3(122.75,40.36) v3(122.75,39.47) v3(123.18,105.44) v3(123.61,188.39) v3(123.66,85.88) v3(124.58,71.4) v3(124.81,189.2) v3(125.08,94.69) v3(125.69,105.46) v3(126,85.93) v3(126.15,188.39) v3(126.1,73.15) v3(127.35,189.2) v3(128.69,188.39) v3(129.23,174.22) v3(129.23,173.33) v3(129.89,189.2) v3(131.23,188.39) v3(132.43,189.2) v3(133.29,158.47) v3(133.26,144.22) v3(133.26,130) v3(133.24,115.67) v3(133.44,165.15) v3(133.42,150.9) v3(133.42,136.68) v3(133.42,122.45) v3(133.77,188.39) v3(134.38,115.67) v3(134.43,158.47) v3(134.41,144.22) v3(134.41,130) v3(134.43,44.55) v3(134.43,43.28) v3(134.43,42.01) v3(134.69,150.9) v3(134.69,136.68) v3(134.69,122.45) v3(134.71,165.15) v3(134.97,189.2) v3(136.31,188.39) v3(137.51,189.2) v3(138.85,188.39) v3(140.05,189.2) v3(141.39,188.39) v3(142.59,189.2) v3(143.93,188.39) v3(145.13,189.2) v3(146.47,188.39) v3(147.67,189.2) v3(149.01,188.39) v3(150.21,189.2) v3(151.55,188.39) v3(152.75,189.2) v3(154.09,188.39) v3(155.29,189.2) v3(156.63,188.39) v3(157.83,189.2) v3(159.17,188.39) v3(160.37,189.2) v3(161.71,188.39) v3(162.91,189.2) v3(164.25,188.39) v3(165.45,189.2) v3(166.79,188.39) v3(167.99,189.2) v3(169.33,188.39) v3(170.53,189.2) v3(173.19,180.34) v3(174.54,179.63) v3(175.73,180.34) v3(177.08,179.63) v3(178.25,180.31) v3(178.45,178.18) v3(178.45,175.64) v3(178.45,173.1) v3(178.45,170.56) v3(178.45,168.02) v3(178.45,165.48) v3(178.45,162.94) v3(178.45,160.4) v3(178.45,157.86) v3(178.45,155.32) v3(178.45,152.78) v3(178.45,150.24) v3(178.45,147.7) v3(178.45,145.16) v3(178.45,142.62) v3(178.45,140.08) v3(178.45,137.54) v3(178.45,135) v3(178.45,132.46) v3(178.45,129.92) v3(178.45,127.38) v3(178.45,124.84) v3(178.45,122.3) v3(178.45,119.76) v3(178.45,117.22) v3(178.45,114.68) v3(178.45,112.14) v3(178.45,109.6) v3(178.45,107.06) v3(179.16,179.53) v3(179.16,176.99) v3(179.16,174.45) v3(179.16,171.91) v3(179.16,169.37) v3(179.16,166.83) v3(179.16,164.29) v3(179.16,161.75) v3(179.16,159.21) v3(179.16,156.67) v3(179.16,154.13) v3(179.16,151.59) v3(179.16,149.05) v3(179.16,146.51) v3(179.16,143.97) v3(179.16,141.43) v3(179.16,138.89) v3(179.16,136.35) v3(179.16,133.81) v3(179.16,131.27) v3(179.16,128.73) v3(179.16,126.19) v3(179.16,123.65) v3(179.16,121.11) v3(179.16,118.57) v3(179.16,116.03) v3(179.16,113.49) v3(179.16,110.95) v3(179.16,108.41)
